# Altium PCB DSO.PcbDoc (part 1 of 2)
Units mil, origin at the board's own origin, x right, y up, seen from the top; angles counter-clockwise.
Board outline 4330.71 x 3937.01 mil, 2 copper layers (Top Layer, Bottom Layer), stack 61.855 mil thick; 140 components, 120 nets, 544 pads, 427 vias.
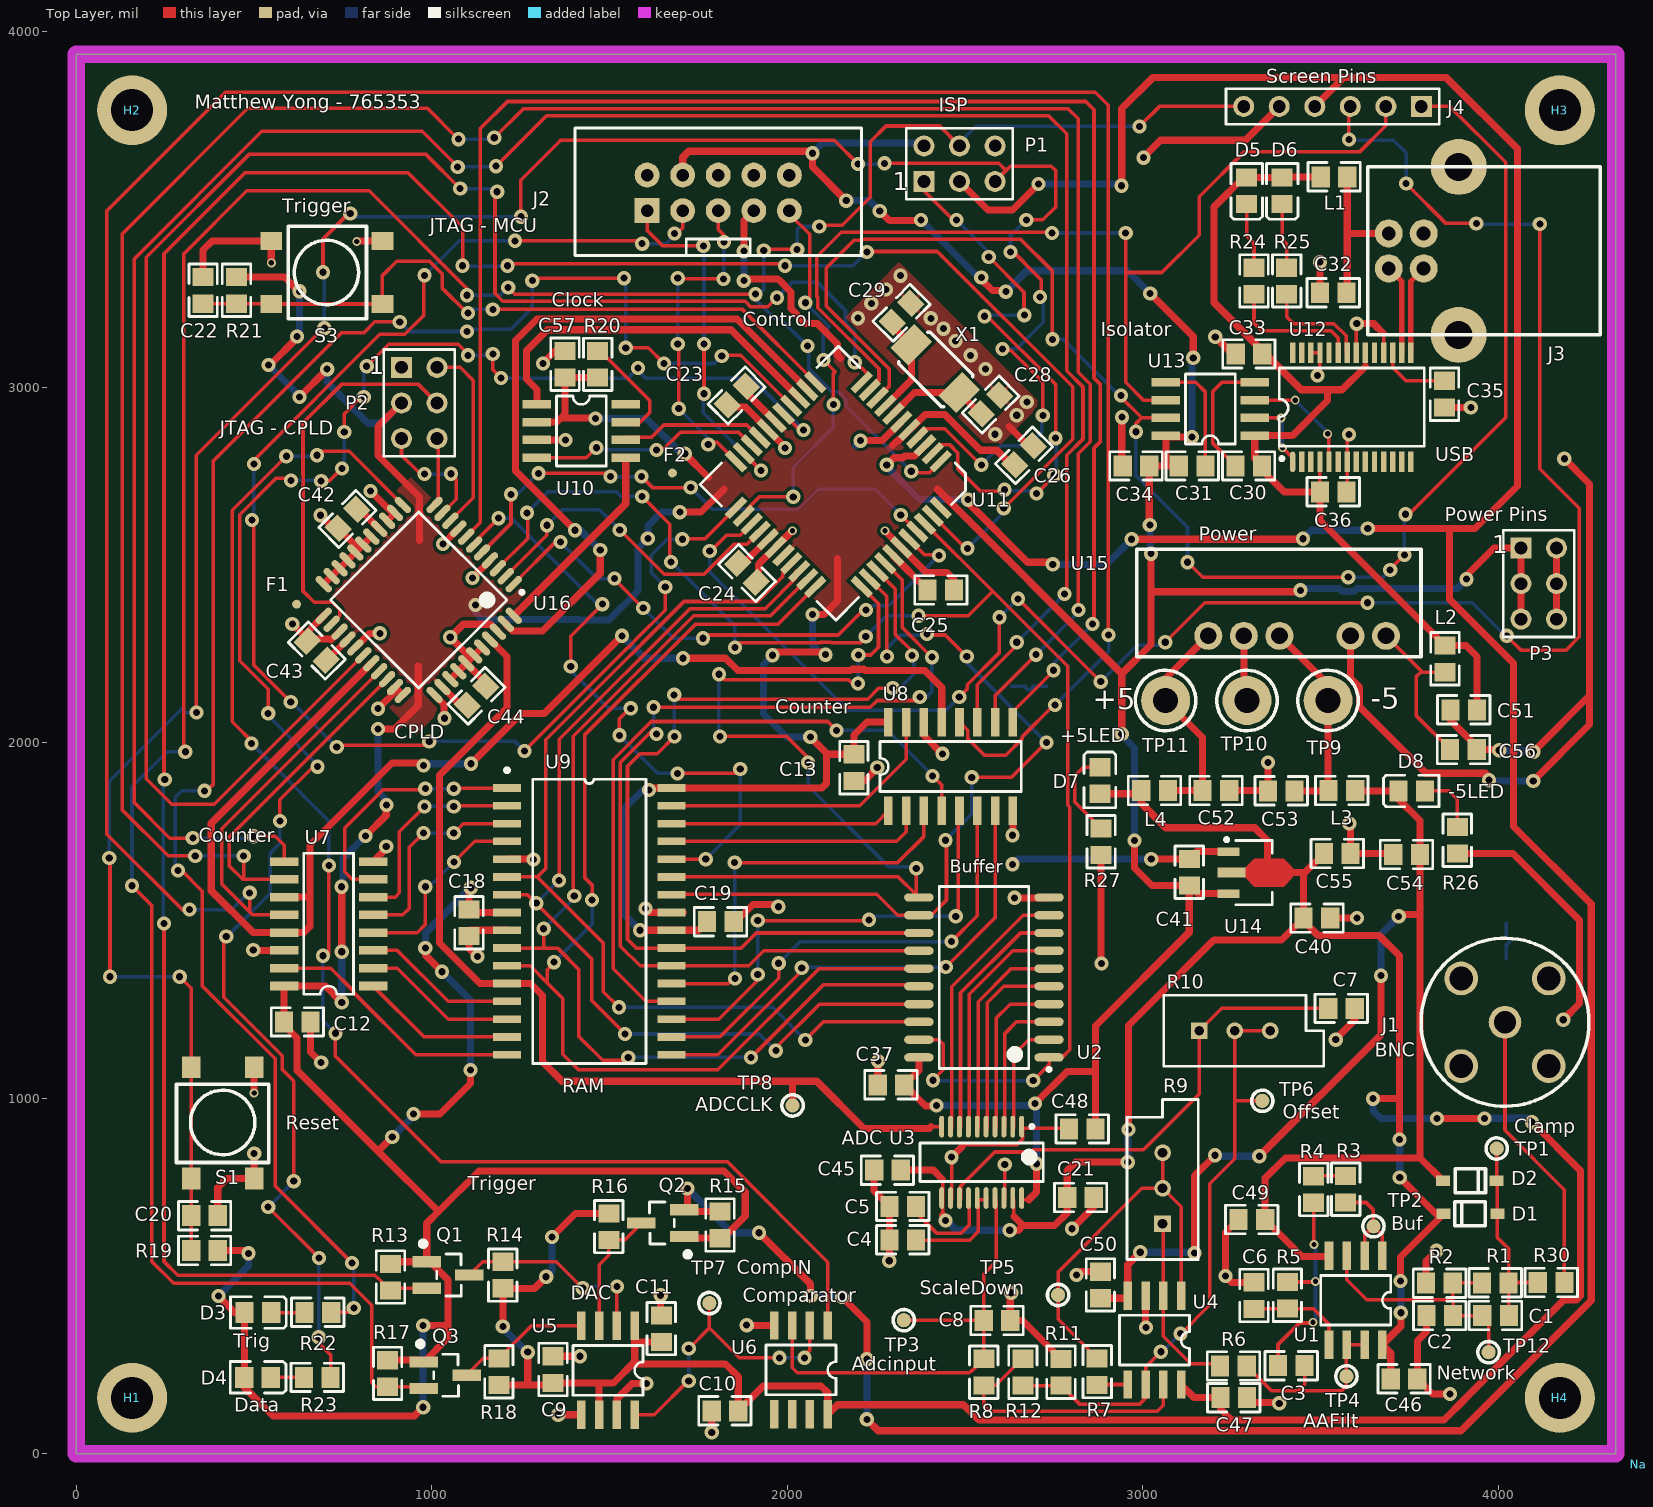
[diagram p0: Top Layer view]
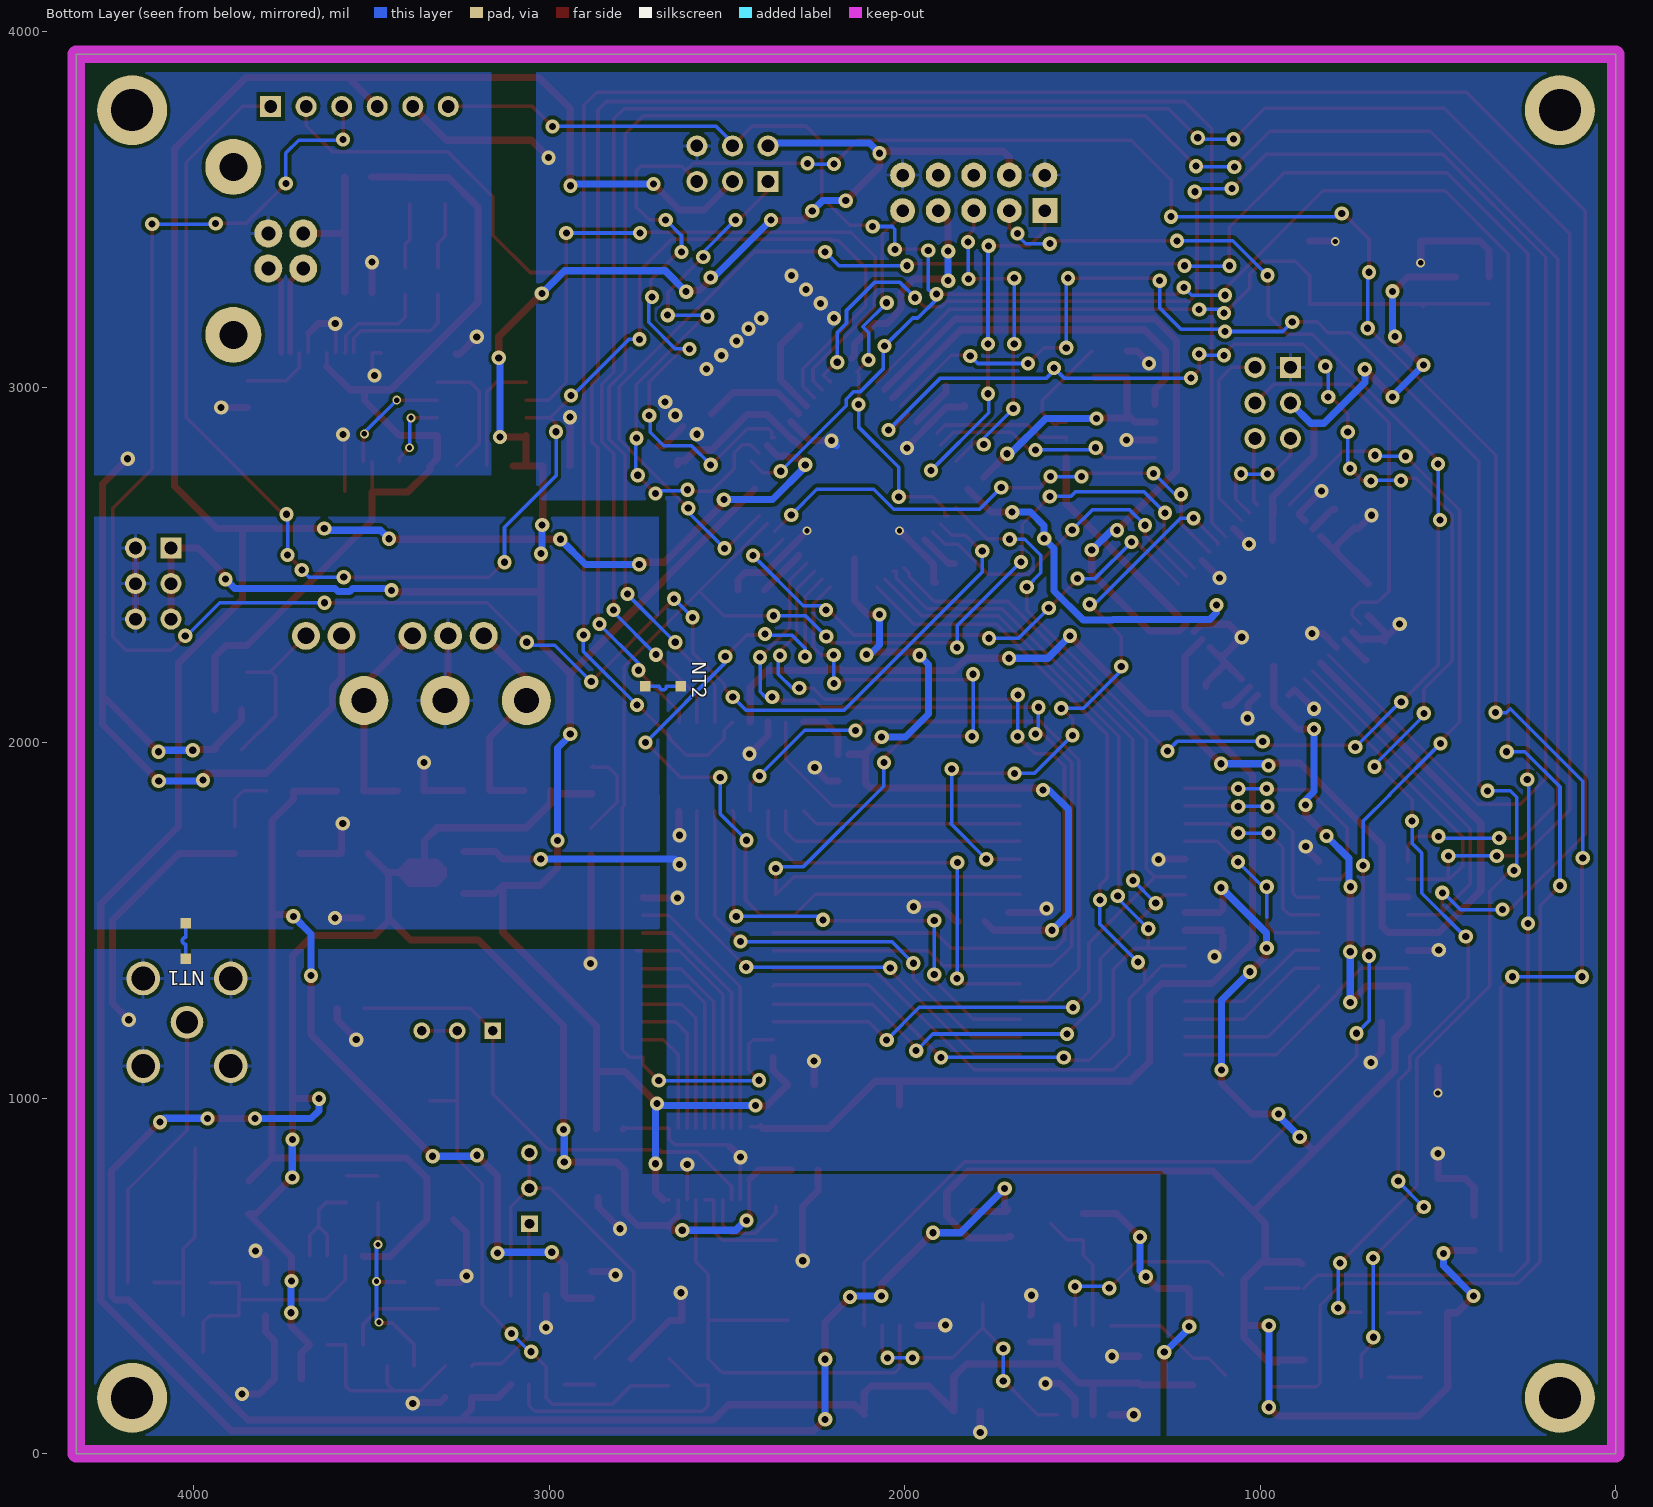
[diagram p1: Bottom Layer view, seen from below]
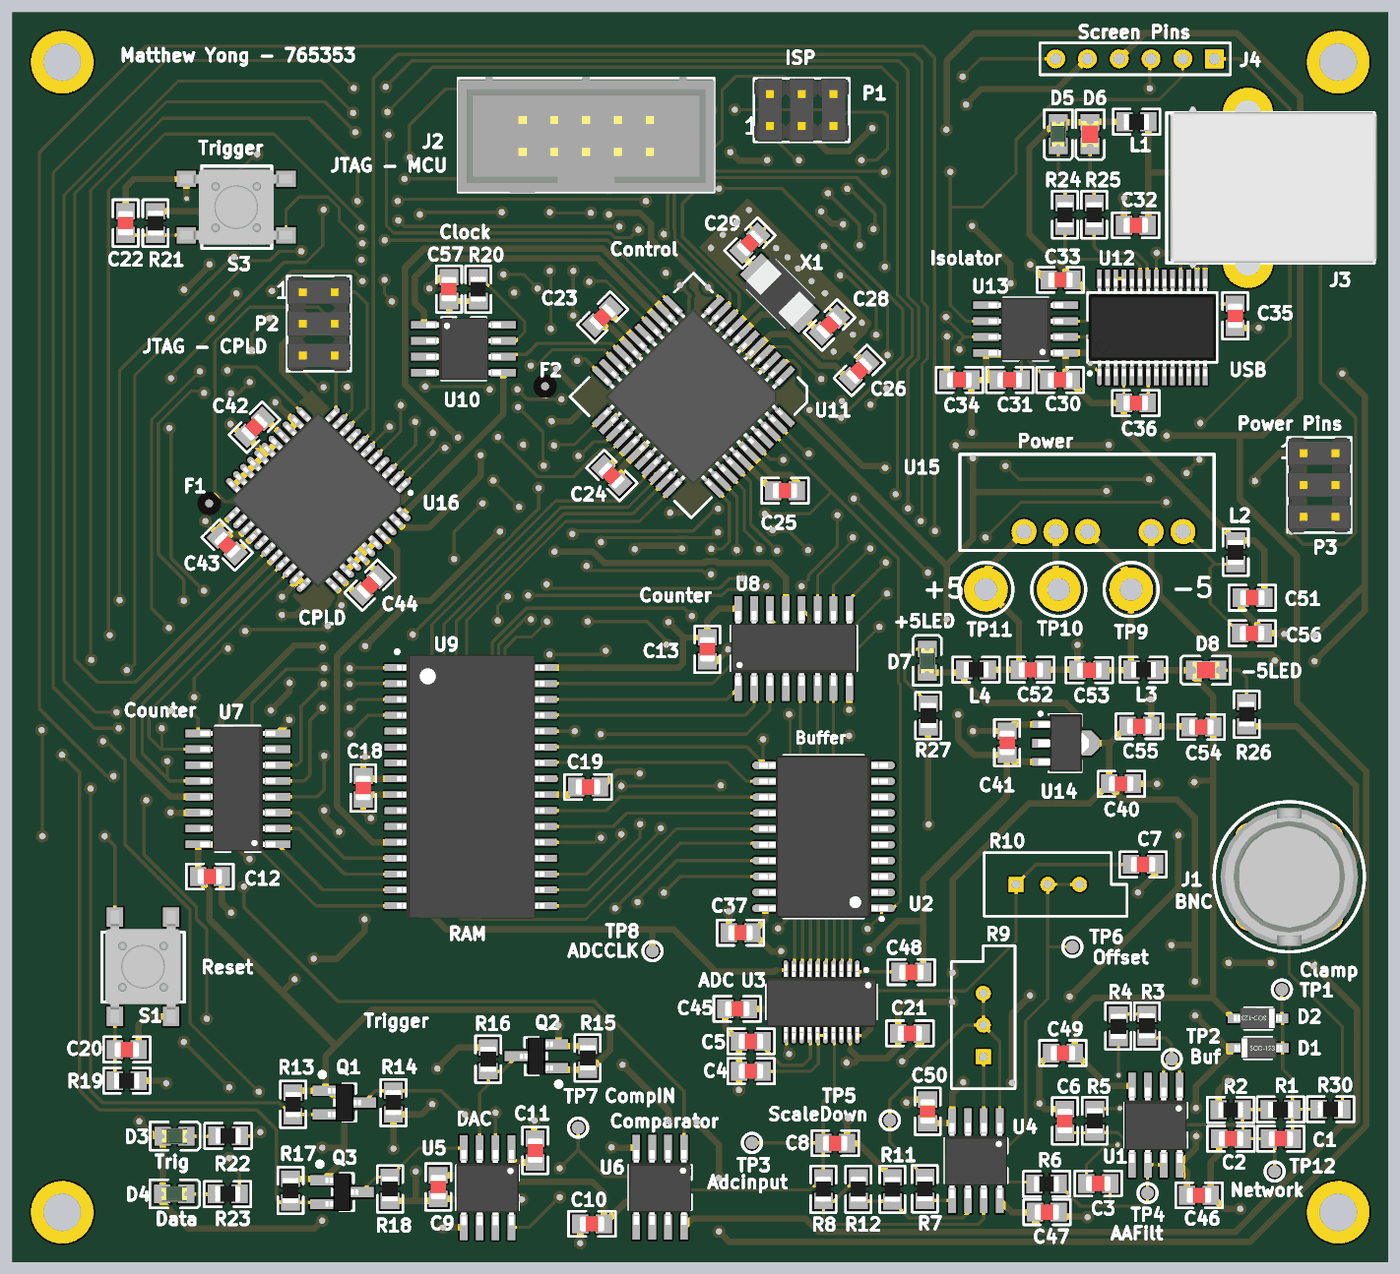
[diagram p3: 3D render of the assembled board from above, using the file's embedded part models]

## Layer stack, top to bottom
Top Solder: solder mask 0.4, Solder Resist, Dk 3.5
Top Layer: signal copper 1.4
Dielectric1: core 59.0551, FR-4, Dk 4.8
Bottom Layer: signal copper 1.4
Bottom Solder: solder mask 0.4, Solder Resist, Dk 3.5

## Board outline
0,0 4330.71,0 4330.71,3937.01 0,3937.01

## Design rules (kind name [scope] priority, off if disabled: settings)
BoardOutlineClearance "Board Clearance Rule" [All] p1: gap=50
Clearance [All] p1: gap=10
ComponentClearance [All] p1 off: gap=10 collisioncheckmode=3 verticalgap=10 showdistances=FALSE
DiffPairsRouting [All] p1: maxlimit=20 minlimit=10 mostfreqgap=10 toplayer_minwidth=15 toplayer_maxwidth=15 toplayer_prefwidth=15 bottomlayer_minwidth=15 bottomlayer_maxwidth=15 bottomlayer_prefwidth=15 maxuncoupledlength=500
FabricationTestPointUsage TestPointUsage [All] p1: valid=0 allowmultiple=FALSE
FabricationTestpoint Testpoint [All] p1: side=3 testpointundercomponent=TRUE minsize=40 maxsize=100 preferedsize=60 minholesize=0 maxholesize=40 preferedholesize=32 testpointgrid=1 allowsidetop=TRUE allowsidebottom=TRUE usegrid=TRUE gridtolerance=0.01
Height [All] p1: minheight=0 maxheight=7874.02 prefheight=500
HoleSize [All] p1: absolutevalues=TRUE maxlimit=199 minlimit=15 maxpercent=80.000 minpercent=20.000
MinimumAnnularRing [All] p1: minimumring=5
PolygonConnect PolygonConnect_2 [(ObjectKind = 'Via') OR HasFootprint('NET_TIE') vs IsNamedPolygon('Bottom Layer-No Net') Or  IsNamedPolygon('Top Power') Or  IsNamedPolygon('TOP MCU VCC') Or  IsNamedPolygon('Top Analog') Or  IsNamedPolygon('Top USB') Or  IsNamedPolygon('Top Digital') Or  IsNamedPolygon('Top RAM VCC') Or  IsNamedPolygon('Bottom Power') Or  IsNamedPolygon('Bottom Analog') Or  IsNamedPolygon('Bottom Digital')] p1: connectstyle=Direct reliefconductorwidth=10 reliefentries=4 polygonreliefangle="90 Angle" airgapwidth=10
PolygonConnect PolygonConnect_1 [(ObjectKind = 'Via') OR HasFootprint('NET_TIE')] p2: connectstyle=Direct reliefconductorwidth=10 reliefentries=4 polygonreliefangle="90 Angle" airgapwidth=10
PolygonConnect [All] p3: connectstyle=Relief reliefconductorwidth=10 reliefentries=4 polygonreliefangle="90 Angle" airgapwidth=10
RoutingVias [All] p1: holewidth=20 width=40 viastyle="Through Hole" minholewidth=20 minwidth=40 maxholewidth=80 maxwidth=100
SilkToSolderMaskClearance SilkscreenOverComponentPads [IsPad] p1: minsilkscreentomaskgap=10 clearancetoexposedcopper=TRUE
SolderMaskExpansion [All] p1: expansion=6
Width COUNTER_CLK_WIDTH [InNet('COUNTER_CLK')] p1: maxlimit=20 minlimit=20 preferedwidth=20 minimp=50.000000 maximp=50.000000 favimp=50.000000
Width SCK_WIDTH [InNet('SCK')] p2: maxlimit=20 minlimit=20 preferedwidth=20 minimp=50.000000 maximp=50.000000 favimp=50.000000
Width SLOW_CLK_WIDTH [InNet('SLOW_CLK')] p3: maxlimit=20 minlimit=20 preferedwidth=20 minimp=50.000000 maximp=50.000000 favimp=50.000000
Width IN_CLK [InNet('IN_CLK')] p4: maxlimit=20 minlimit=20 preferedwidth=20 minimp=50.000000 maximp=50.000000 favimp=50.000000
Width ADC_CLK_WIDTH [InNet('ADC_CLK')] p5: maxlimit=20 minlimit=10 preferedwidth=20 minimp=50.000000 maximp=50.000000 favimp=50.000000
Width XTAL_2_WIDTH [InNet('XTAL2')] p6: maxlimit=20 minlimit=20 preferedwidth=20 minimp=50.000000 maximp=50.000000 favimp=50.000000
Width XTAL_1_WIDTH [InNet('XTAL1')] p7: maxlimit=20 minlimit=20 preferedwidth=20 minimp=50.000000 maximp=50.000000 favimp=50.000000
Width FAST_CLK_WIDTH [InNet('FAST_CLK')] p8: maxlimit=20 minlimit=20 preferedwidth=20 minimp=50.000000 maximp=50.000000 favimp=50.000000
Width USB_VCC_NET_WIDTH [InNet('USB_VCC_NET')] p9: maxlimit=20 minlimit=20 preferedwidth=20 minimp=50.000000 maximp=50.000000 favimp=50.000000
Width USBVCC_WIDTH [InNet('USBVCC')] p10: maxlimit=20 minlimit=10 preferedwidth=20 minimp=50.000000 maximp=50.000000 favimp=50.000000
Width +5_OUT [InNet('+5_OUTOFDC')] p11: maxlimit=20 minlimit=20 preferedwidth=20 minimp=50.000000 maximp=50.000000 favimp=50.000000
Width -5_OUT [InNet('-5_OUTOFDC')] p12: maxlimit=20 minlimit=20 preferedwidth=20 minimp=50.000000 maximp=50.000000 favimp=50.000000
Width +AVCC_WIDTH [InNet('+AVCC')] p13: maxlimit=20 minlimit=10 preferedwidth=20 minimp=50.000000 maximp=50.000000 favimp=50.000000
Width -AVCC_WIDTH [InNet('-AVCC')] p14: maxlimit=20 minlimit=20 preferedwidth=20 minimp=50.000000 maximp=50.000000 favimp=50.000000
Width DVCC_WIDTH [InNet('DVCC')] p15: maxlimit=20 minlimit=10 preferedwidth=20 minimp=50.000000 maximp=50.000000 favimp=50.000000
Width USB_GND_WIDTH [InNet('USBGND')] p16: maxlimit=20 minlimit=10 preferedwidth=20 minimp=50.000000 maximp=50.000000 favimp=50.000000
Width AGND_WIDTH [InNet('AGND')] p17: maxlimit=20 minlimit=20 preferedwidth=20 minimp=50.000000 maximp=50.000000 favimp=50.000000
Width PGND_WIDTH [InNet('PGND')] p18: maxlimit=20 minlimit=20 preferedwidth=20 minimp=50.000000 maximp=50.000000 favimp=50.000000
Width DGND_WIDTH [InNet('DGND')] p19: maxlimit=20 minlimit=10 preferedwidth=20 minimp=50.000000 maximp=50.000000 favimp=50.000000
Width Width_2 [All] p20: maxlimit=10 minlimit=10 preferedwidth=10
Width Width_1 [All] p21: maxlimit=10 minlimit=10 preferedwidth=10
23 further rules are at their usual default settings.

## Classes and differential pairs
component class U_DSO_CPLD: C42 C43 C44 P2 U16
component class U_DSO_Clock: C57 R20 U10
component class U_DSO_Control: C20 C22 C23 C24 C25 C26 C28 C29 D3 D4 J2 J4 P1 R19 R21 R22 R23 S1 S3 U11 X1
component class U_DSO_Counters: C12 C13 U7 U8
component class U_DSO_Front: C1 C2 D1 D2 J1 R1 R2 R30 TP1 TP2 TP12 U1
component class U_DSO_IO: C30 C31 C32 C33 C34 C35 C36 D5 D6 J3 L1 R24 R25 U12 U13
component class U_DSO_Power: C40 C41 C51 C52 C53 C54 C55 C56 D7 D8 F1 F2 H1 H2 H3 H4 L2 L3 L4 Name* NT1 NT2 P3 R26 R27 TP9 TP10 TP11 U14 U15
component class U_DSO_RAM: C18 C19 TP8 U9
net class ADC_A[0..15]: ADC_A0 ADC_A1 ADC_A2 ADC_A3 ADC_A4 ADC_A5 ADC_A6 ADC_A7 ADC_A8 ADC_A9 ADC_A10 ADC_A11 ADC_A12 ADC_A13 ADC_A14 ADC_A15
net class ADC_D[0..7]: ADC_D0 ADC_D1 ADC_D2 ADC_D3 ADC_D4 ADC_D5 ADC_D6 ADC_D7
component class U_DSO_ADC: C3 C4 C5 C6 C7 C8 C21 C37 C45 C46 C47 C48 C49 C50 R3 R4 R5 R6 R7 R8 R9 R10 R11 R12 TP3 TP4 TP5 TP6 U2 U3 U4
component class U_DSO_Trig: C9 C10 C11 Q1 Q2 Q3 R13 R14 R15 R16 R17 R18 TP7 U5 U6
differential pair USB: +USB_P -USB_N

## Components (designator, comment, footprint, x,y, rotation, side; value= is the part's Value field where it differs from the comment)
C1 "5pF" 0805C 3992.6,389 r180 top
C2 "5pF" 0805C 3835.6,389 r180 top
C3 "22pF" 0805C 3418,248 r180 top
C4 "0.1uF" 0805C 2325,602 r0 top
C5 "0.1uF" 0805C 2325,696 r0 top
C6 "10pF" 0805C 3313,445 r90 top
C7 "0.1uF" 0805C 3559,1253 r180 top
C8 "47pF" 0805C 2590,375 r0 top
C9 "100nF" 0805C 1341,237 r90 top
C10 "100nF" 0805C 1825,121 r180 top
C11 "100nF" 0805C 1646,352 r90 top
C12 "100nF" 0805C 622,1215 r0 top
C13 "100nF" 0805C 2187.63,1930.39 r270 top
C18 "100nF" 0805C 1105,1494 r270 top
C19 "100nF" 0805C 1812,1497 r0 top
C20 "100nF" 0805C 360.84,670 r0 top
C21 "100nF" 0805C 2825,721 r0 top
C22 "100nF" 0805C 357,3272.5 r90 top
C23 "100nF" 0805C 1858,2977 r225 top
C24 "100nF" 0805C 1887,2478 r315 top
C25 "100nF" 0805C 2432,2430 r0 top
C26 "100nF" 0805C 2666,2808.55 r45 top
C28 "18pF" 0805C 2572,2951.55 r45 top
C29 "18pF" 0805C 2321.6,3209.55 r45 top
C30 "100nF" 0805C 3298,2779 r180 top
C31 "100nF" 0805C 3139,2779 r0 top
C32 "100nF" 0805C 3536,3266 r180 top
C33 "1uF" 0805C 3299,3094 r180 top
C34 "1uF" 0805C 2981,2779 r0 top
C35 "100nF" 0805C 3849,2981 r270 top
C36 "100nF" 0805C 3536,2706 r0 top
C37 "100nF" 0805C 2292,1038 r180 top
C40 "1uF" 0805C 3490,1507 r0 top
C41 "1uF" 0805C 3131,1636 r90 top
C42 "100nF" 0805C 763,2630 r225 top
C43 "100nF" 0805C 677,2259 r135 top
C44 "100nF" 0805C 1126,2132 r45 top
C45 "100nF" 0805C 2282,798 r180 top
C46 "100nF" 0805C 3735,211 r0 top
C47 "100nF" 0805C 3256,158 r0 top
C48 "100nF" 0805C 2830,914 r180 top
C49 "100nF" 0805C 3307,659 r180 top
C50 "100nF" 0805C 2881,475 r90 top
C51 "100nF" 0805C 3903,2093 r180 top
C52 "10uF" 0805C 3205.79,1866 r0 top
C53 "10uF" 0805C 3389.79,1865 r180 top
C54 "100nF" 0805C 3742.39,1686 r180 top
C55 "100nF" 0805C 3547,1688.6 r0 top
C56 "10uF" 0805C 3902,1981 r0 top
C57 "100nF" 0805C 1374.84,3064.75 r90 top
D1 "Diode" SOD-123 3922,675 r0 top
D2 "Diode" SOD-123 3920,768 r180 top
D3 "LED_TRIG" 0805D-GREEN 511,397 r180 top
D4 "LED_DATA" 0805D-GREEN 510,215 r180 top
D5 "TX" 0805D-GREEN 3292,3553 r90 top
D6 "RX" 0805D-RED 3392,3553 r90 top
D7 "LED_+5" 0805D-GREEN 2880,1894 r270 top
D8 "LED_-5" 0805D-RED 3757,1865 r0 top
F1 "Fiducial" Fiducial 620,2390 r0 top
F2 "Fiducial" Fiducial 1677,2759 r0 top
H1 "SCREW_HOLE" SCREW_HOLE#1 642.48,167.48 r0 top
H2 "SCREW_HOLE" SCREW_HOLE#2 157.48,3779.53 r0 top
H3 "SCREW_HOLE" SCREW_HOLE#2 4173.23,3779.53 r0 top
H4 "SCREW_HOLE" SCREW_HOLE#2 4173.23,157.48 r0 top
J1 "INPUT" BNC_VERT 4019,1214 r0 top
J2 "JTAG" BOXEDVERT10 1606,3497 r0 top
J3 "USB" USBPLUG 3633,3620 r270 top
J4 "Peripheral Chip Pins" HDR1X6 3784,3790 r180 top
L1 "300mH" 0805 3538,3592 r0 top
L2 "300mA" 0805 3850.39,2236 r90 top
L3 "300mA" 0805 3560.39,1866 r180 top
L4 "300mA" 0805 3033.39,1866 r180 top
Name* "NAME" NAME 4430.84,-29.16 r90 top
NT1 "NET_TIE" NET_TIE 4022,1493 r270 bottom net-tie
NT2 "NET_TIE" NET_TIE 2730.29,2159 r180 bottom locked net-tie
P1 "Header 3x2" HDR3x2 2484.63,3629 r0 top
P2 "Header 3x2" HDR3x2 965,2956 r270 top
P3 "Header 3x2" HDR3x2 4114,2448 r270 top
Q1 "BSS138" SOT23 1046,503 r0 top
Q2 "BSS138" SOT23 1650,649 r180 top
Q3 "BSS138" SOT23 1038,221 r0 top
R1 "510K" 0805 3991.6,481 r0 top
R2 "510K" 0805 3834.6,480 r0 top
R3 "330" 0805 3571,744.4 r270 top
R4 "270" 0805 3481,743.4 r90 top
R5 "330" 0805 3407,446 r270 top
R6 "499" 0805 3255,247 r0 top
R7 "499" 0805 2872,231 r90 top
R8 "39" 0805 2553,230 r270 top
R9 "RPot" VR5 3056,747 r90 top
R10 "RPot" VR5 3259,1190 r0 top
R11 "499" 0805 2770,229.5 r90 top
R12 "499" 0805 2663,230 r270 top
R13 "10K" 0805 884,497 r90 top
R14 "10K" 0805 1200,503 r270 top
R15 "10K" 0805 1811,644 r270 top
R16 "10K" 0805 1498.14,639 r90 top
R17 "10K" 0805 876,226 r90 top
R18 "10K" 0805 1189,231 r270 top
R19 "10k" 0805 360.84,571.93 r0 top
R20 "2.7K" 0805 1466.84,3064.75 r270 top
R21 "10k" 0805 451,3272.5 r90 top
R22 "220" 0805 680,398 r180 top
R23 "220" 0805 678,215 r180 top
R24 "270" 0805 3313,3299 r90 top
R25 "270" 0805 3405,3299 r90 top
R26 "330" 0805 3885,1726 r270 top
R27 "330" 0805 2883,1722 r270 top
R30 "100" 0805 4148.6,482 r0 top
S1 "RESET" "SPST PB SWITCH SMD" 412,931 r90 top
S3 "TRIG" "SPST PB SWITCH SMD" 705,3323 r180 top
TP1 "INPUT" Testpoin 3995.79,859 r90 top
TP2 "INPUT" Testpoin 3649,640 r90 top
TP3 "INPUT" Testpoin 2328,376 r90 top
TP4 "INPUT" Testpoin 3573,218 r90 top
TP5 "INPUT" Testpoin 2762,447 r90 top
TP6 "INPUT" Testpoin 3336.4,993 r270 top
TP7 "INPUT" Testpoin 1781,424 r90 top
TP8 "INPUT" Testpoin 2015,980 r270 top
TP9 "-5" "PIN 1.8mm" 3521.39,2119 r180 top
TP10 "GND" "PIN 1.8mm" 3293.39,2119 r180 top
TP11 "+5" "PIN 1.8mm" 3064.39,2119 r180 top
TP12 "INPUT" Testpoin 3972.91,286 r90 top
U1 "LT1819" SOIC-8 3599,432 r270 top
U2 "74HC541" SOT163-1_N 2553.5,1340 r180 top
U3 "ADS830E" TI-DBQ20_L 2547,820 r270 top
U4 "LT1819" SOIC-8 3033,320 r270 top
U5 "MCP4901" SOIC-8 1496,235 r270 top
U6 "MAX9032" SOIC-8 2039,236 r270 top
U7 "74HC590" SOIC-16 710,1491 r180 top
U8 "74HC590" SOIC-16 2459.63,1933.39 r90 top
U9 "CY7C1019D" TSOP-32 1443.22,1497.77 r0 top
U10 "PT7C4511" SOIC-8 1420.81,2877 r0 top
U11 "ATMEGA16" QFP-48 2144,2726.55 r225 top
U12 "FT232RL" SSOP-28 3588,2944 r90 top
U13 "Si8421" SOIC-8 3190,2939 r180 top
U14 "MCP1700T-3302E/MB" SOT89 3316,1635 r0 top
U15 "RD0505D" SIP_NMG 3684.39,2301 r270 top
U16 "XC9536XL-10VQ44C" VQ44_L 963.5,2401.87 r225 top